# KiCad board DFTBoard.kicad_pcb
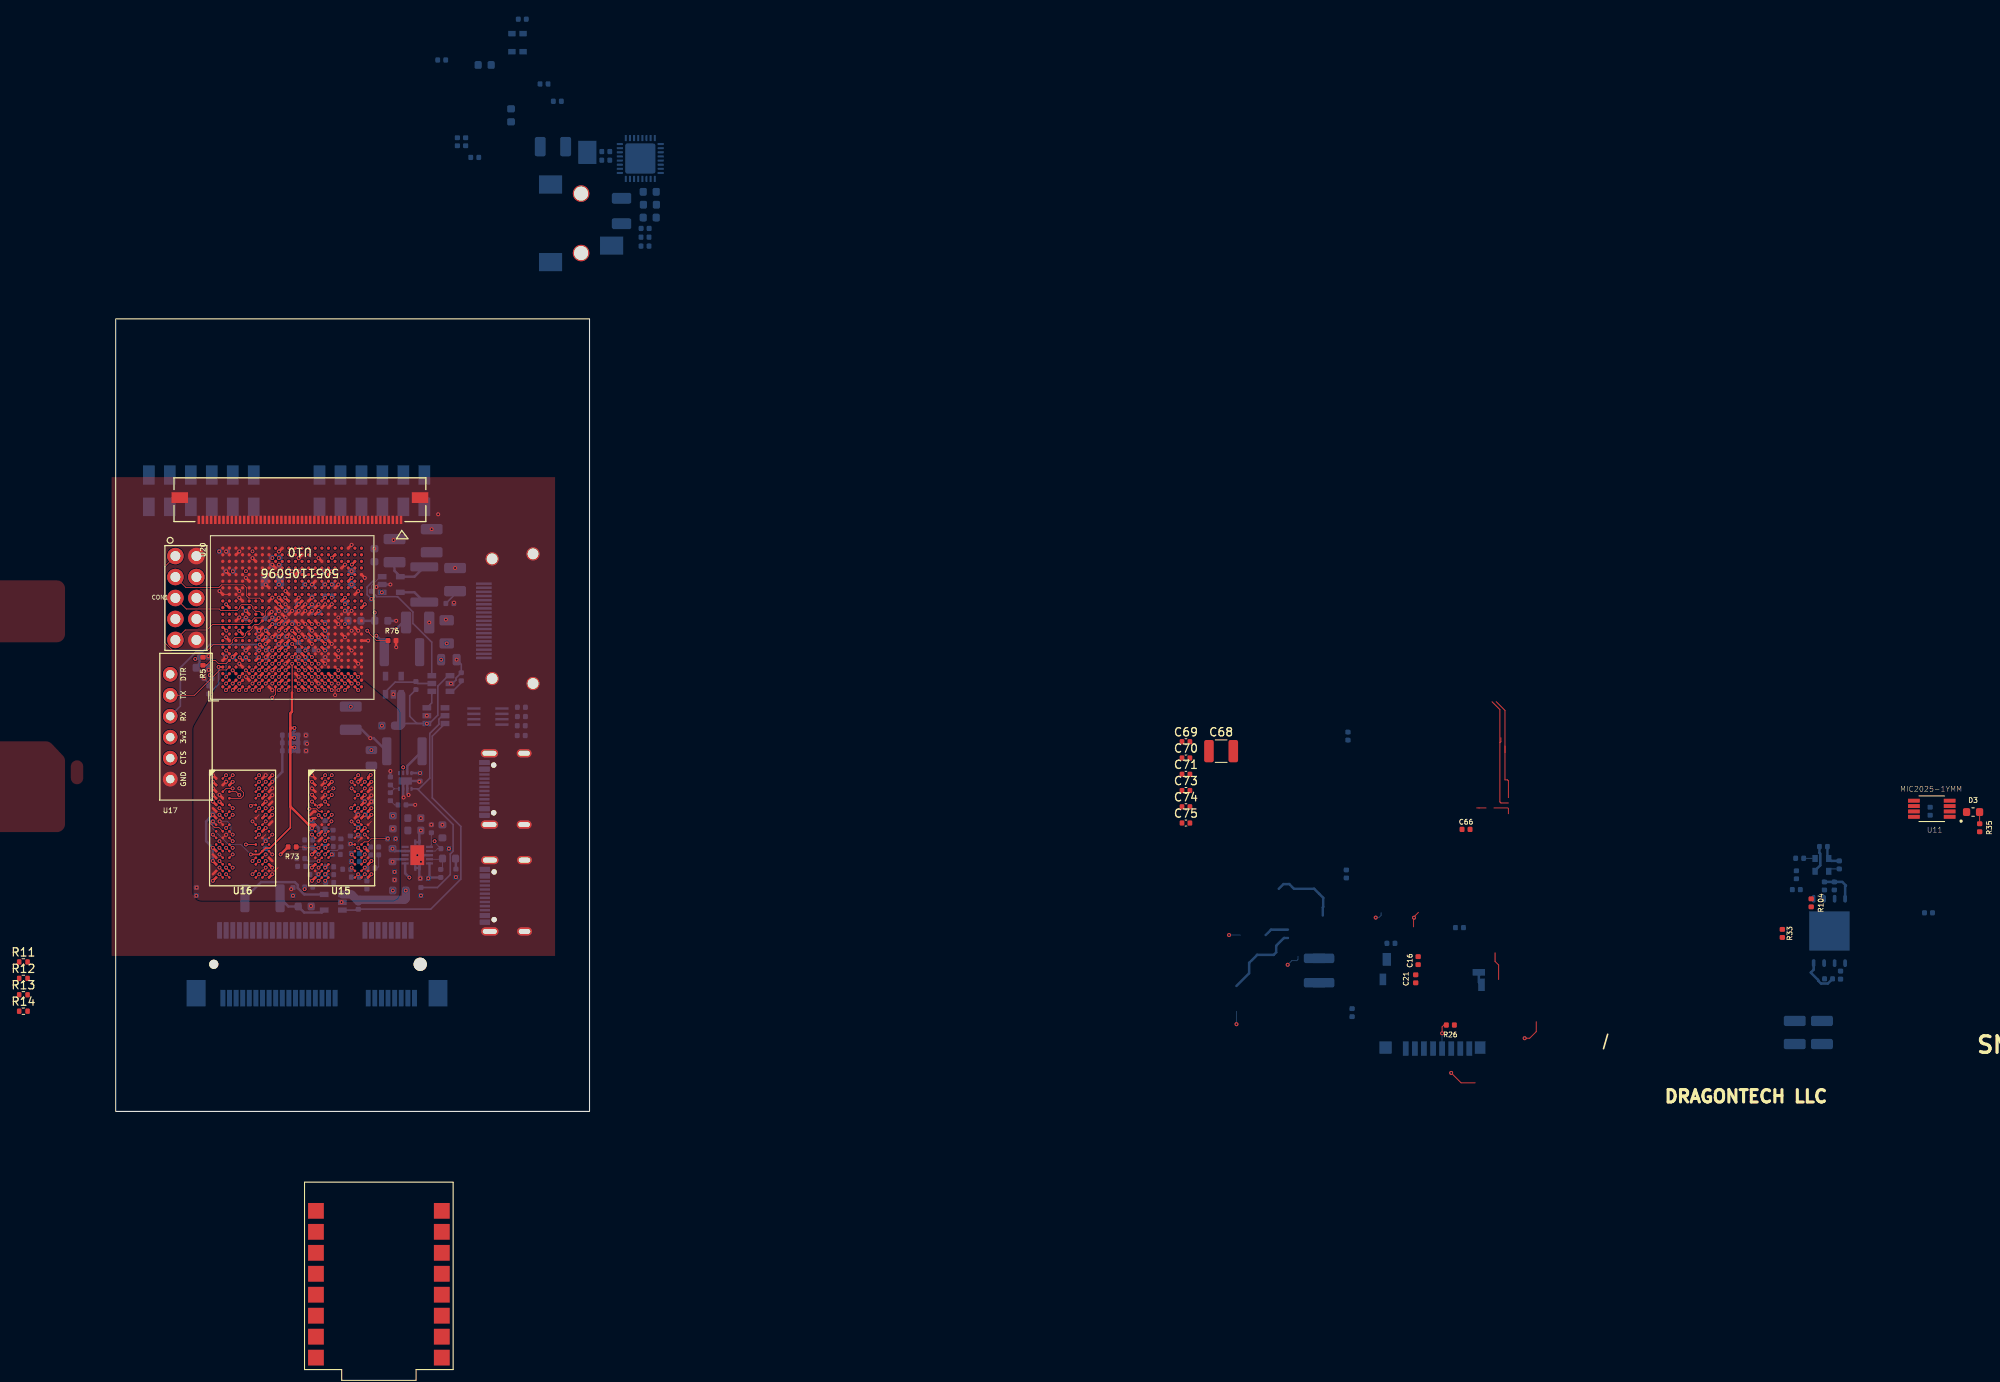
[diagram p0: board, top side]
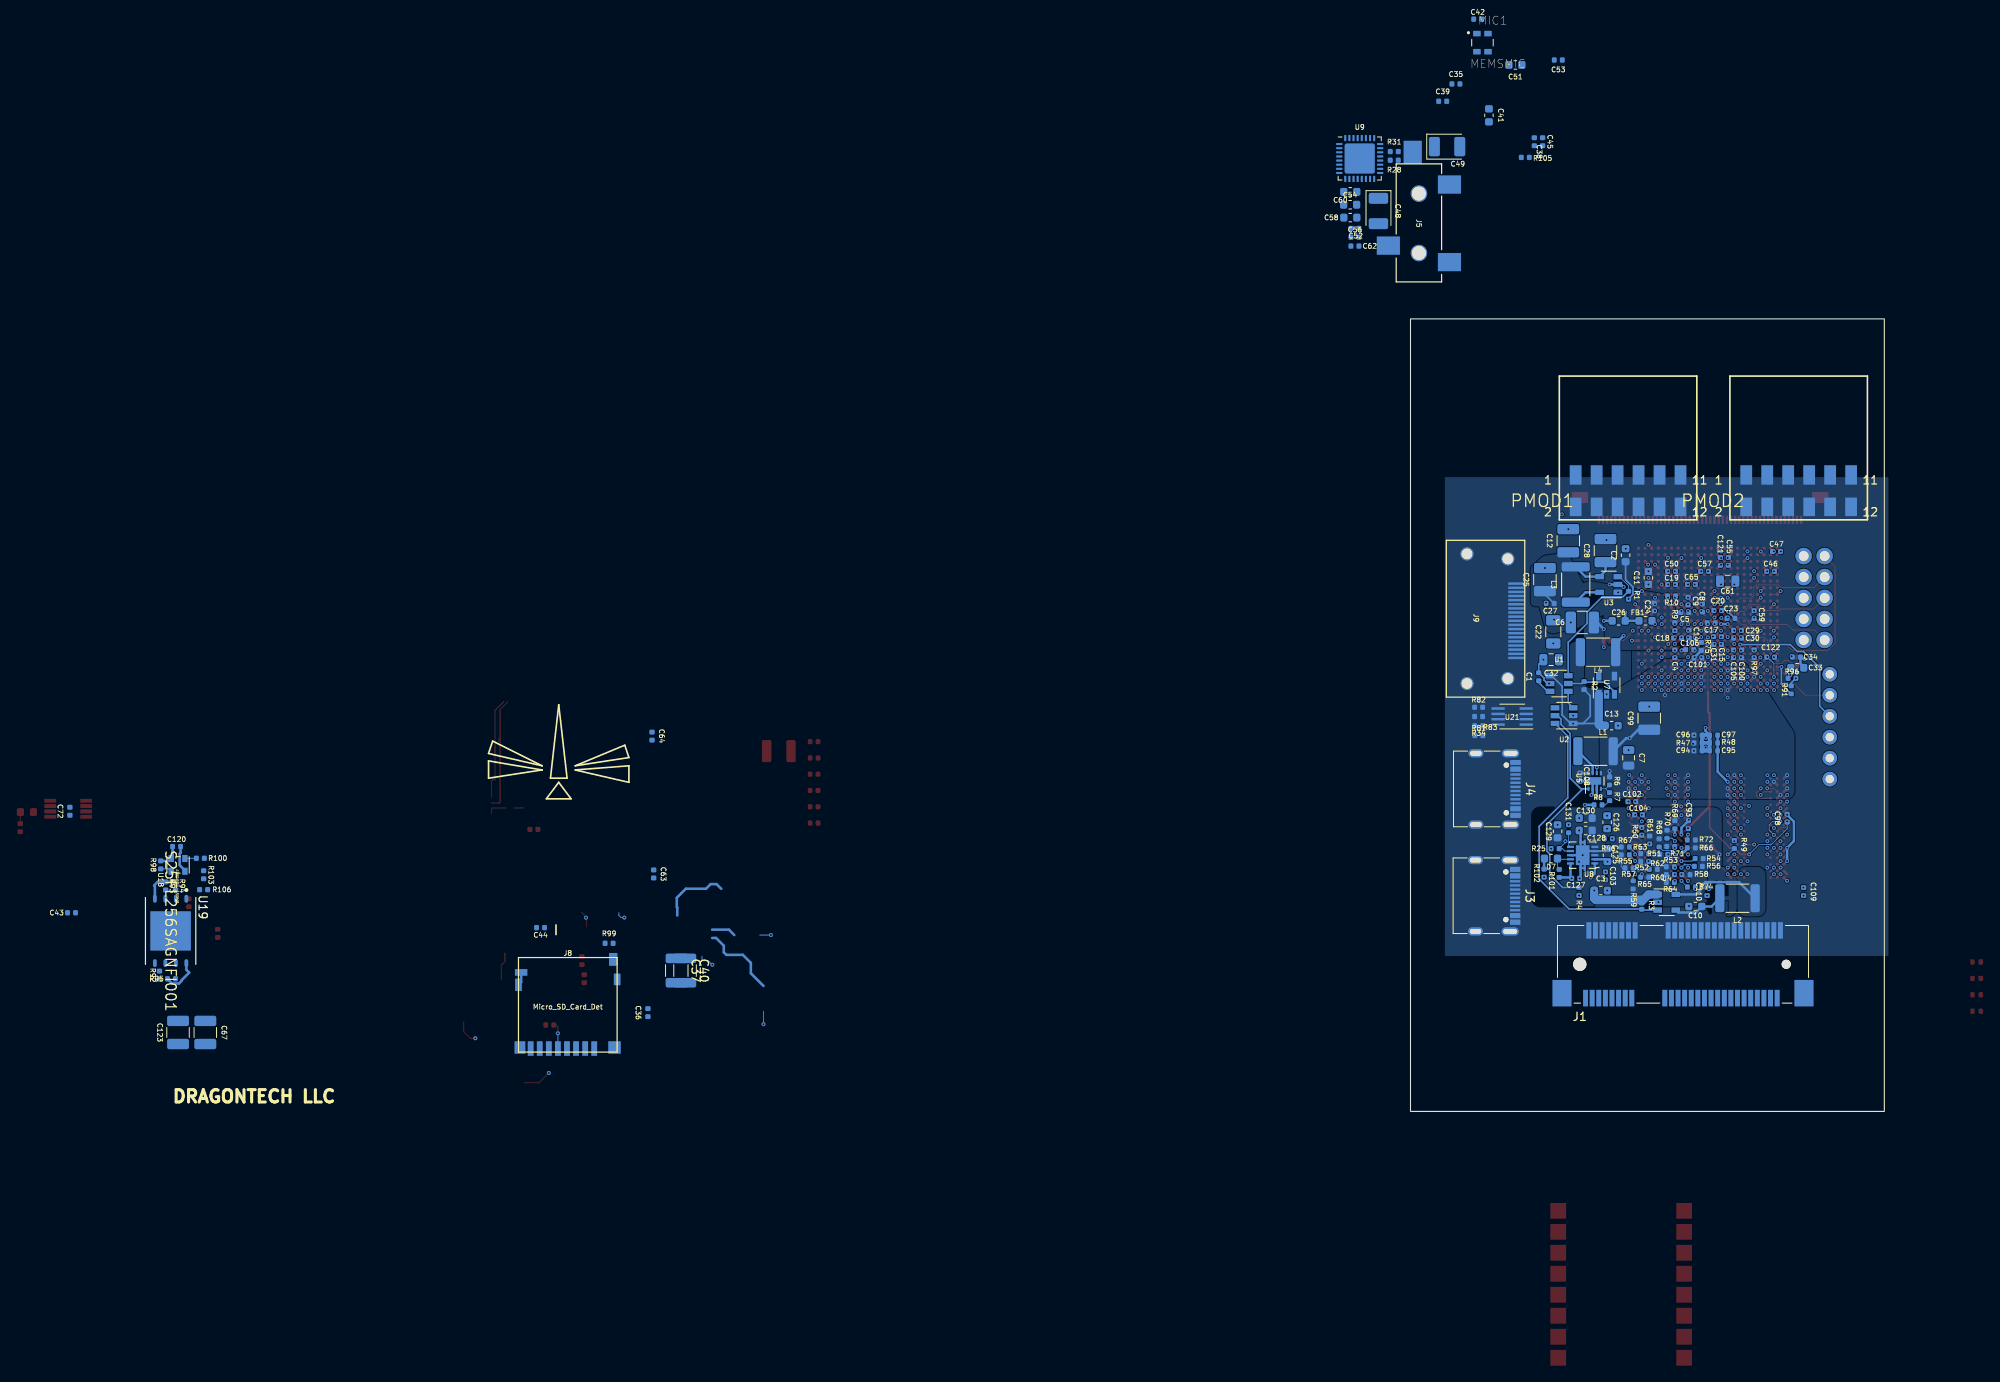
[diagram p1: board, bottom side, seen from below]

Outline 57.38 x 96 mm; copper layers: TOP (plane), Signal1 (plane), Signal2, Signal3 (plane), GND1, BOTTOM (plane). Coordinates in mm from the lower left corner of the outline.
Outline path: rectangle 0,96 57.38,0
Stack: TOP 0.035mm / dielectric 0.1mm FR4 er 4.5 / Signal1 0.035mm / dielectric 0.535mm FR4 er 4.5 / Signal2 0.035mm / dielectric 0.1mm FR4 er 4.5 / Signal3 0.035mm / dielectric 0.535mm FR4 er 4.5 / GND1 0.035mm / dielectric 0.1mm FR4 er 4.5 / BOTTOM 0.035mm

## Placement (name value [footprint] x y rotation side)
C1  .47uF  [C_0402_1005Metric]  41.85 52.65 90 bottom
C2  10uF  [C_0603_1608Metric]  31.33 67.37 90 bottom
C3  10uF  [C_0603_1608Metric]  34.34 26.75 180 bottom
C4  .47uF  [C_0402_1005Metric]  25.37 55.43 270 bottom
C5  4.7uF  [C_0402_1005Metric]  24.17 60.43 180 bottom
C6  100uF  [C_1210_3225Metric#2]  36.57 59.23 0 bottom
C7  47uF  [C_0805_2012Metric]  30.97 42.83 90 bottom
C8  .47uF  [C_0402_1005Metric]  22.02 60.98 270 bottom
C9  4.7uF  [C_0402_1005Metric]  23.77 61.83 90 bottom
C10  10uF  [C_0603_1608Metric]  22.89 24.82 0 bottom
C11  10uF  [C_0603_1608Metric]  28.57 64.63 90 bottom
C12  100uF  [C_1210_3225Metric#2]  38.27 69.13 90 bottom
C13  10uF  [C_0603_1608Metric]  33.03 46.73 180 bottom
C14  .47uF  [C_0402_1005Metric]  23.64 57.83 90 bottom
C15  .47uF  [C_0402_1005Metric]  19.72 57.03 270 bottom
C16  .1uF  [C_0402_1005Metric]  157.73 18.26 270 top
C17  .47uF  [C_0402_1005Metric]  20.97 59.18 180 bottom
C18  .47uF  [C_0402_1005Metric]  25.04 57.33 180 bottom
C19  4.7uF  [C_0402_1005Metric]  25.77 63.83 180 bottom
C20  4.7uF  [C_0402_1005Metric]  20.17 60.68 180 bottom
C21  .1uF  [C_0402_1005Metric]  157.43 16.06 90 top
C22  330uF  [C_1206_3216Metric]  40.09 58.09 90 bottom
C23  .47uF  [C_0402_1005Metric]  18.57 59.73 180 bottom
C24  4.7uF  [C_0402_1005Metric]  27.87 61.1 270 bottom
C25  100uF  [C_1210_3225Metric#2]  41.1 64.42 90 bottom
C26  10uF  [C_0603_1608Metric]  32.17 59.43 0 bottom
C27  4.7uF  [C_0402_1005Metric]  40.47 61.53 0 bottom
C28  100uF  [C_1210_3225Metric#2]  33.77 67.93 90 bottom
C29  .47uF  [C_0402_1005Metric]  17.77 58.28 180 bottom
C30  .47uF  [C_0402_1005Metric]  17.77 57.33 180 bottom
C31  .47uF  [C_0402_1005Metric]  20.67 57.03 90 bottom
C32  47uF  [C_0805_2012Metric]  40.35 54.72 0 bottom
C33  10uF  [C_0603_1608Metric]  10.54 53.74 0 bottom
C34  .47uF  [C_0402_1005Metric]  10.64 55.04 0 bottom
C35  2.2uF  [C_0402_1005Metric]  51.88 124.46 180 bottom
C36  .1uF  [C_0402_1005Metric]  149.73 11.96 90 bottom
C37  100uF  [C_1210_3225Metric]  146.23 17.06 270 bottom
C38  1uF  [C_0402_1005Metric]  42.38 117.46 270 bottom
C39  .1uF  [C_0402_1005Metric]  53.48 122.36 180 bottom
C40  100uF  [C_1210_3225Metric]  145.23 17.06 270 bottom
C41  10uF  [C_0603_1608Metric]  47.88 120.66 270 bottom
C42  4.7uF  [C_0402_1005Metric]  49.24 132.31 0 bottom
C43  .1uF  [C_0402_1005Metric]  219.53 24.06 0 bottom
C44  .1uF  [C_0402_1005Metric]  162.73 22.26 180 bottom
C45  1uF  [C_0402_1005Metric]  41.38 117.46 90 bottom
C46  .47uF  [C_0402_1005Metric]  13.77 65.43 180 bottom
C47  .47uF  [C_0402_1005Metric]  13.07 67.83 0 bottom
C48  220uF Tant.  [CP_EIA-3528-12_Kemet-T]  61.26 109.07 270 bottom
C49  220uF Tant.  [CP_EIA-3528-12_Kemet-T]  52.95 116.87 180 bottom
C50  .47uF  [C_0402_1005Metric]  25.77 65.43 180 bottom
C51  10uF  [C_0603_1608Metric]  44.68 126.76 0 bottom
C52  .1uF  [C_0402_1005Metric]  64.12 106.96 180 bottom
C53  .1uF  [C_0402_1005Metric]  39.48 127.36 0 bottom
C54  10uF  [C_0603_1608Metric]  64.69 109.83 180 bottom
C55  .47uF  [C_0402_1005Metric]  18.87 66.63 270 bottom
C56  .1uF  [C_0402_1005Metric]  64.1 105.9 180 bottom
C57  4.7uF  [C_0402_1005Metric]  21.77 65.43 0 bottom
C58  10uF  [C_0603_1608Metric]  64.67 108.27 180 bottom
C59  4.7uF  [C_0402_1005Metric]  15.77 60.18 270 bottom
C60  10uF  [C_0603_1608Metric]  64.67 111.39 0 bottom
C61  47uF  [C_0805_2012Metric]  18.97 64.23 180 bottom
C62  .1uF  [C_0402_1005Metric]  64.11 104.82 0 bottom
C63  .1uF  [C_0402_1005Metric]  149.03 28.76 270 bottom
C64  4.7uF  [C_0402_1005Metric]  149.23 45.46 270 bottom
C65  .47uF  [C_0402_1005Metric]  23.37 63.83 0 bottom
C66  4.7uF  [C_0402_1005Metric]  163.53 34.16 0 top
C67  100uF  [C_1210_3225Metric#2]  203.33 9.56 270 bottom
C68  47uF  [C_1210_3225Metric]  133.87 43.64 0 top
C69  4.7uF  [C_0402_1005Metric]  129.61 44.78 0 top
C70  4.7uF  [C_0402_1005Metric]  129.61 42.81 0 top
C71  .47uF  [C_0402_1005Metric]  129.61 40.84 0 top
C72  .1uF  [C_0402_1005Metric]  219.73 36.36 90 bottom
C73  .47uF  [C_0402_1005Metric]  129.61 38.87 0 top
C74  .47uF  [C_0402_1005Metric]  129.61 36.9 0 top
C75  .47uF  [C_0402_1005Metric]  129.61 34.93 0 top
C93  .01uF  [C_0402_1005Metric]  23.72 34.73 90 bottom
C94  .1uF  [C_0402_1005Metric]  22.57 43.68 180 bottom
C95  .1uF  [C_0402_1005Metric]  20.67 43.68 180 bottom
C96  .1uF  [C_0402_1005Metric]  22.57 45.58 180 bottom
C97  .1uF  [C_0402_1005Metric]  20.67 45.58 180 bottom
C98  .01uF  [C_0402_1005Metric]  11.77 35.53 90 bottom
C99  100uF  [C_1210_3225Metric#2]  28.47 47.63 90 bottom
C100  4.7uF  [C_0402_1005Metric]  17.27 55.43 90 bottom
C101  .47uF  [C_0402_1005Metric]  22.57 54.93 180 bottom
C102  .47uF  [C_0402_1005Metric]  30.57 37.53 180 bottom
C103  .47uF  [C_0402_1005Metric]  33.77 28.53 90 bottom
C104  .47uF  [C_0402_1005Metric]  29.77 35.93 0 bottom
C105  .01uF  [C_0402_1005Metric]  18.27 55.43 270 bottom
C106  .01uF  [C_0402_1005Metric]  23.57 55.93 0 bottom
C108  .47uF  [C_0402_1005Metric]  36.86 40.5 270 bottom
C109  .01uF  [C_0402_1005Metric]  9.77 26.63 270 bottom
C110  .01uF  [C_0402_1005Metric]  21.47 26.63 270 bottom
C120  .01uF  [C_0402_1005Metric]  206.81 32.08 180 bottom
C121  .47uF  [C_0402_1005Metric]  19.87 66.63 270 bottom
C122  4.7uF  [C_0402_1005Metric]  13.77 55.03 180 bottom
C123  100uF  [C_1210_3225Metric#2]  206.63 9.56 270 bottom
C125  10uF  [C_0603_1608Metric]  33.53 31.04 90 bottom
C126  10uF  [C_0603_1608Metric]  33.57 35.03 90 bottom
C127  4.7uF  [C_0402_1005Metric]  37.37 28.23 0 bottom
C128  10uF  [C_0603_1608Metric]  36.17 34.03 0 bottom
C129  10uF  [C_0603_1608Metric]  39.57 33.93 90 bottom
C130  10uF  [C_0603_1608Metric]  36.17 35.53 0 bottom
C131  .1uF  [C_0402_1005Metric]  38.23 34.24 90 bottom
CON1  AVR-JTAG-10  [XilinxJTAG]  8.5 62.19 180 top
D3  BLUE LED  [C_0603_1608Metric]  224.93 36.26 0 top
D7  BLUE LED  [C_0603_1608Metric]  40.37 30.63 0 bottom
FB1  120R, 100 MHz, size 0603  [C_0603_1608Metric]  28.92 59.43 0 bottom
J1  Bus_PCI_Express_Mini  [BUS_PCI_Express_Mini_Full]  24.38 17.82 180 bottom
J3  USB_C_Receptacle_USB2.0  [USB_C_Receptacle_G-Switch_GT-USB-7010ASV]  48.44 26.12 270 bottom
J4  USB_C_Receptacle_USB2.0  [USB_C_Receptacle_G-Switch_GT-USB-7010ASV]  48.38 39.06 270 bottom
J5  JACK_TRS_4PINS  [SJ-352X-SMT]  56.36 102.88 90 bottom
J8  Micro_SD_Card_Det  [AMPHENOL-114-00841-68]  159.43 12.66 180 bottom
J9  HDMI_A  [10029449-111RLF]  50.54 59.68 270 bottom
L1  2.2uH  [C_1812_4532Metric]  34.97 43.63 180 bottom
L2  2.2uH  [C_1812_4532Metric]  17.78 25.82 0 bottom
L3  2.2uH  [C_1812_4532Metric]  37.37 63.83 90 bottom
L4  2.2uH  [C_1812_4532Metric]  34.67 55.63 180 bottom
MIC1  MEMSMIC  [MIC_SPW2430HR5H-B]  48.66 129.47 180 bottom
PMOD1  PMOD-Host-x2-GPIO  [SAMTEC-SMH-106-02-X-D]  31.03 84.37 180 bottom
PMOD2  PMOD-Host-x2-GPIO  [SAMTEC-SMH-106-02-X-D]  10.37 84.37 180 bottom
R1  100k  [R_0402_1005Metric]  30.97 62.53 90 bottom
R2  100k  [R_0402_1005Metric]  36.36 51.58 90 bottom
R3  100k  [R_0402_1005Metric]  29.38 24.97 270 bottom
R4  100k  [R_0402_1005Metric]  36.97 26.63 90 bottom
R5  100k  [R_0402_1005Metric]  10.57 54.53 270 top
R6  10k  [R_0402_1005Metric]  33.27 40.03 90 bottom
R7  240 1%  [R_0402_1005Metric]  33.27 38.13 270 bottom
R8  4.7k  [R_0402_1005Metric]  34.67 37.13 0 bottom
R9  4.7k  [R_0402_1005Metric]  25.37 58.73 270 bottom
R10  4.7k  [R_0402_1005Metric]  25.77 62.43 0 bottom
R11  4.7k  [R_0402_1005Metric#2]  -11.18 18.1 0 top
R12  4.7k  [R_0402_1005Metric#2]  -11.18 16.12 0 top
R13  4.7k  [R_0402_1005Metric#2]  -11.18 14.12 0 top
R14  4.7k  [R_0402_1005Metric#2]  -11.18 12.13 0 top
R25  20k  [R_0402_1005Metric]  39.87 31.83 180 bottom
R26  47  [R_0402_1005Metric]  161.63 10.46 180 top
R28  100k  [R_0402_1005Metric]  59.35 115.22 0 bottom
R31  49.9k  [R_0402_1005Metric]  59.35 116.27 180 bottom
R33  10k  [R_0402_1005Metric]  201.83 21.56 90 top
R34  100k  [R_0402_1005Metric]  49.11 46.72 0 bottom
R35  150  [R_0402_1005Metric]  225.73 34.36 270 top
R46  240 1%  [R_0402_1005Metric]  33.42 33.03 0 bottom
R47  10k 1%  [R_0402_1005Metric]  22.56 44.64 180 bottom
R48  10k 1%  [R_0402_1005Metric]  20.67 44.64 180 bottom
R49  240 1%  [R_0402_1005Metric]  18.17 32.33 270 bottom
R50  80.6 1%  [R_0402_1005Metric]  29.37 33.93 270 bottom
R51  40.2 1%  [R_0402_1005Metric]  26.72 31.13 0 bottom
R52  40.2 1%  [R_0402_1005Metric]  29.02 30.28 0 bottom
R53  40.2 1%  [R_0402_1005Metric]  25.92 29.63 0 bottom
R54  40.2 1%  [R_0402_1005Metric]  22.42 30.63 180 bottom
R55  40.2 1%  [R_0402_1005Metric]  31.37 31.08 0 bottom
R56  40.2 1%  [R_0402_1005Metric]  22.52 29.68 180 bottom
R57  40.2 1%  [R_0402_1005Metric]  30.92 29.48 0 bottom
R58  40.2 1%  [R_0402_1005Metric]  24.02 28.68 180 bottom
R59  40.2 1%  [R_0402_1005Metric]  30.42 27.43 270 bottom
R60  40.2 1%  [R_0402_1005Metric]  25.92 28.68 0 bottom
R61  40.2 1%  [R_0402_1005Metric]  28.42 32.88 90 bottom
R62  40.2 1%  [R_0402_1005Metric]  27.97 29.33 180 bottom
R63  40.2 1%  [R_0402_1005Metric]  29.02 31.23 0 bottom
R64  40.2 1%  [R_0402_1005Metric]  25.92 27.73 0 bottom
R65  40.2 1%  [R_0402_1005Metric]  29.02 28.38 180 bottom
R66  40.2 1%  [R_0402_1005Metric]  23.37 31.93 180 bottom
R67  40.2 1%  [R_0402_1005Metric]  31.37 32.03 0 bottom
R68  40.2 1%  [R_0402_1005Metric]  27.27 32.53 90 bottom
R69  40.2 1%  [R_0402_1005Metric]  25.37 34.73 90 bottom
R70  40.2 1%  [R_0402_1005Metric]  26.32 33.58 90 bottom
R71  40.2 1%  [R_0402_1005Metric]  25.87 32.08 0 bottom
R72  40.2 1%  [R_0402_1005Metric]  23.37 32.88 180 bottom
R73  40.2 1%  [R_0402_1005Metric]  21.37 32.03 180 top
R74  4.7k  [R_0402_1005Metric]  23.37 27.18 180 bottom
R75  80.6 1%  [R_0402_1005Metric]  22.17 56.33 270 bottom
R76  80.6 1%  [R_0402_1005Metric]  33.47 57.03 0 top
R81  100k  [R_0402_1005Metric]  49.11 45.53 180 bottom
R82  4.7k  [R_0402_1005Metric]  49.13 48.95 180 bottom
R83  4.7k  [R_0402_1005Metric]  49.13 47.83 180 bottom
R91  20k  [R_0402_1005Metric]  11.28 51.06 90 bottom
R92  20k  [R_0402_1005Metric]  208.88 16.51 270 bottom
R93  20k  [R_0402_1005Metric]  208.13 27.31 90 bottom
R94  20k  [R_0402_1005Metric]  206.93 27.31 90 bottom
R95  20k  [R_0402_1005Metric]  207.43 16.06 0 bottom
R96  20k  [R_0402_1005Metric]  11.18 52.46 180 bottom
R97  20k  [R_0402_1005Metric]  15.77 55.43 90 bottom
R98  4.7k  [R_0402_1005Metric]  208.73 29.86 90 bottom
R99  47k  [R_0402_1005Metric]  154.43 20.36 180 bottom
R100  24.9 1%  [R_0402_1005Metric]  203.93 30.66 0 bottom
R101  100k  [R_0402_1005Metric]  39.37 28.83 90 bottom
R102  150  [R_0402_1005Metric]  41.2 28.86 270 bottom
R103  4.7k  [R_0402_1005Metric]  203.53 28.66 90 bottom
R104  4.7k  [R_0402_1005Metric]  205.33 25.26 270 top
R105  1k  [R_0402_1005Metric]  43.48 115.56 0 bottom
R106  20k  [R_0402_1005Metric]  203.53 26.86 0 bottom
U1  LM3880  [SOT-23-6]  39.38 51.83 180 bottom
U2  LM3880  [SOT-23-6]  38.78 47.94 0 bottom
U3  SC189 - 1.0V  [SOT-23-5]  33.37 63.83 0 bottom
U4  SC189 - 3.3V  [SOT-23-5]  26.35 25.33 180 bottom
U5  TLV62080DSGx  [WSON-8-1EP_2x2mm_P0.5mm_EP0.9x1.6mm]  35.07 40.03 90 bottom
U6  ESP32-C3_SUPERMINI  [MODULE_ESP32-C3_SUPERMINI]  31.87 -19.93 180 top
U7  SC189 - 1.8V  [SOT-23-5]  33.63 51.63 90 bottom
U8  TPS51200DRCR  [VSON-10-1EP_3x3mm_P0.5mm_EP1.65x2.4mm_ThermalVias]  36.53 31.04 0 bottom
U9  TLV320AIC3104  [QFN-32-1EP_5x5mm_P0.5mm_EP3.65x3.65mm]  63.53 115.43 180 bottom
U10  ~  [CON_5051105096_MOL]  22.31 74.1 180 top
U11  MIC2025-1YMM  [SOP65P490X110-8N]  219.93 36.66 180 top
U15  MT41K256M16HA-125_E  [FBGA-96-DDR3-SDRAM]  27.37 34.33 0 top
U16  MT41K256M16HA-125_E  [FBGA-96-DDR3-SDRAM]  15.37 34.33 0 top
U17  FTDITypeUART  [FTDI_CONN]  6.61 46.6 0 top
U18  ABRACON-ASDMB  [XTAL_ASDMB-24.000MHZ-LC-T]  206.63 29.86 90 bottom
U19  S25FL256SAGNFI001  [Cypress-002-18827-0-0-0]  207.53 21.86 270 bottom
U20  xc7z020clg484  [BGA-484_19.0x19.0mm_Layout22x22_P0.80mm_dia0.40mm]  21.37 59.83 90 top
U21  PCA9306  [SSOP-8_2.95x2.8mm_P0.65mm]  45.07 47.83 0 bottom

## Library data of the parts
C1 C4 C8 C14 C15 C17 C18 C23 C29-C31 C34 C46 C47 C50 C55 C65 C71 C73-C75 C101-C104 C108 C121 = -: Description: Unpolarized capacitor, small symbol; MFR: Yageo; MPN: CC0402KRX5R5BB474; SPN: 311-1684-1-ND; SPR: Digikey
C2 C3 C10 C11 C13 C26 C33 C125 C126 C128-C130 = -: Description: Unpolarized capacitor, small symbol; MFR: Murata; MPN: GRM188R61A106KE69J; SPN: 490-14372-1-ND; SPR: Digikey
C5 C9 C19 C20 C24 C27 C42 C57 C59 C64 C66 C69 C70 C100 C122 C127 = -: Description: Unpolarized capacitor, small symbol; MFR: Murata; MPN: GRM155R60G475ME47D; SPN: 490-11980-1-ND; SPR: Digikey
C6 C12 C25 C28 C37 C40 C67 C99 C123 = -: Description: Unpolarized capacitor, small symbol; MFR: TAIYO YUDEN; MPN: JMK325ABJ107MM-P; SPN: 587-4313-1-ND; SPR: Digikey
C7 = -: Description: Unpolarized capacitor, small symbol; MFR: Murata; MPN: GRM219R60J476ME44D; SPN: 490-13249-1-ND; SPR: Digikey; SPURL: -
C16 C21 C36 C39 C43 C44 C52 C53 C56 C62 C63 C72 = -: Description: Unpolarized capacitor; MFR: Yageo; MPN: CC0402KRX7R6BB104; SPN: 311-1345-1-ND; SPR: Digikey
C22 = -: Description: Unpolarized capacitor, small symbol; MFR: AVX Corporation; MPN: F950G337MAAAQ2; SPN: 478-8378-1-ND; SPR: Digikey; SPURL: -
C32 C61 = -: Description: Unpolarized capacitor, small symbol; MFR: Murata; MPN: GRM219R60J476ME44D; SPN: 490-13249-1-ND; SPR: Digikey
C35 = -: Description: Unpolarized capacitor; MFR: Murata; MPN: GRM155R61A225KE95D; SPN: 490-10451-1-ND; SPR: Digikey
C38 C45 = -: Description: Unpolarized capacitor; MFR: Yageo; MPN: CC0402KRX5R6BB105; SPN: 311-1439-1-ND; SPR: Digikey
C41 C51 C54 C58 C60 = -: Description: Unpolarized capacitor; MFR: Murata; MPN: GRM188R61A106KE69J; SPN: 490-14372-1-ND; SPR: Digikey
C48 C49 = -: MFR: AVX Corporation; MPN: F930G227KBA; SPN: 478-8139-1-ND; SPR: Digikey
C68 = -: Description: Unpolarized capacitor, small symbol; MFR: Murata Manufacturing Co Ltd; MPN: GRM32ER70J476ME20L; SPN: 490-6542-1-ND; SPR: Digikey
C93 C98 C105 C106 C109 C110 C120 = -: Description: Unpolarized capacitor, small symbol; MFR: Murata; MPN: GRM155R71H103KA88J; SPN: 490-6351-1-ND; SPR: Digikey; SPURL: -
C94-C97 C131 = -: Description: Unpolarized capacitor, small symbol; MFR: Yageo; MPN: CC0402KRX7R6BB104; SPN: 311-1345-1-ND; SPR: Digikey
CON1 = -: MFR: DNS
D3 D7 = -: MFR: Vishay Semiconductors; MPN: VLMB1300-GS08; SPN: VLMB1300-GS08CT-ND; SPR: Digikey
FB1 = -: MFR: Murata Electronics; MPN: BLM18AG121SN1D; SPN: 490-1011-1-ND; SPR: Digikey; SPURL: -
J1 = -: Description: Mini-PCI Express bus connector
J3 J4 = -: Description: USB 2.0-only Type-C Receptacle connector
J5 = -: MFR: CUI Inc.; MPN: SJ-3524-SMT-TR; SPN: CP-3524SJCT-ND; SPR: Digikey
J8 = -: MFR: Amphenol ICC; MPN: 114-00841-68; SPN: 114-00841-68-1-ND; SPR: Digikey; SPURL: -
J9 = -: Description: HDMI type A connector; MFR: Amphenol ICC; MPN: 10029449-111RLF; SPN: 609-4614-1-ND; SPR: Digikey; SPURL: -
L1-L4 = -: MFR: Murata; MPN: LQH43PN2R2M26L; SPN: 490-12049-1-ND; SPR: Digikey
MIC1 = -: MFR: Knowles; MPN: SPW2430HR5H-B; SPN: 423-1394-1-ND; SPR: Digikey
R1-R5 R28 R34 R81 R101 = -: Description: Resistor; MFR: Yageo; MPN: RC0402FR-07100KL; SPN: 311-100KLRTR-ND; SPR: Digikey
R6 R33 = -: Description: Resistor; MFR: Yageo; MPN: RC0402FR-0710KL; SPN: 311-10.0KLRTR-ND; SPR: Digikey
R7 R46 R49 = -: Description: Resistor; MFR: Yageo; MPN: RC0402FR-07240RL; SPN: 311-240LRTR-ND; SPR: Digikey; SPURL: -
R8-R10 R74 = -: Description: Resistor, small symbol; MFR: Yageo; MPN: RC0402JR-074K7L; SPN: 311-4.7KJRCT-ND; SPR: Digikey; SPURL: -
R11-R14 R82 R83 R98 R103 R104 = -: Description: Resistor; MFR: Yageo; MPN: RC0402JR-074K7L; SPN: 311-4.7KJRCT-ND; SPR: Digikey
R25 R91-R97 R106 = -: Description: Resistor, small symbol; MFR: Yageo; MPN: RT0402BRD0720KL; SPN: YAG1388CT-ND; SPR: Digikey; SPURL: -
R26 = -: Description: Resistor, small symbol; MFR: Yageo; MPN: RC0402JR-0747RL; SPN: 311-47JRTR-ND; SPR: Digikey; SPURL: -
R31 = -: Description: Resistor; MFR: Yageo; MPN: RC0402FR-0749K9L; SPN: 311-49.9KLRCT-ND; SPR: Digikey
R35 R102 = -: Description: Resistor, small symbol; MFR: Yageo; MPN: RC0402FR-07150RL; SPN: 311-150LRTR-ND; SPR: Digikey
R47 R48 = -: Description: Resistor, small symbol; MFR: Yageo; MPN: RC0402FR-0710KL; SPN: 311-10.0KLRCT-ND; SPR: Digikey; SPURL: -
R50 R75 R76 = -: Description: Resistor; MFR: Yageo; MPN: RC0402FR-0780R6L; SPN: 311-80.6LRTR-ND; SPR: Digikey; SPURL: -
R51-R73 = -: Description: Resistor, small symbol; MFR: Yageo; MPN: RC0402FR-0740R2L; SPN: 311-40.2LRTR-ND; SPR: Digikey; SPURL: -
R99 = -: Description: Resistor, small symbol; MFR: Yageo; MPN: RC0402FR-0747KL; SPN: 311-47.0KLRTR-ND; SPR: Digikey; SPURL: -
R100 = -: Description: Resistor, small symbol; MFR: Yageo; MPN: RC0402FR-0724K9L; SPN: 311-24.9KLRTR-ND; SPR: Digikey; SPURL: -
R105 = -: Description: Resistor, small symbol; MFR: Yageo; MPN: RC0402FR-071KL; SPN: 311-1.00KLRCT-ND; SPR: Digikey
U1 U2 = -: Description: Simple Power Sequencer, SOT-23-6; MFR: Texas Instruments; MPN: LM3880MF-1AE/NOPB; SPN: LM3880MF-1AE/NOPBDKR-ND; SPR: Digikey; SPURL: -
U3 = -: MFR: Semtech Corporation; MPN: SC189ASKTRT; SPN: SC189ASKCT-ND; SPR: Digikey
U4 = -: MFR: Semtech Corporation; MPN: SC189ZSKTRT; SPN: SC189ZSKCT-ND; SPR: Digikey
U5 = -: Description: High-efficiency Step-down Converter; MFR: Texas Instruments; MPN: TLV62080DSGR; SPN: 296-39270-6-ND; SPR: Digikey; SPURL: -
U6 = -: Description: Super tiny ESP32-C3 board; Availability: Not in stock; Check_prices: https://www.snapeda.com/parts/ESP32-C3%20SuperMini/Espressif+Systems/view-part/?ref=eda; MANUFACTURER: Espressif; MAXIMUM_PACKAGE_HEIGHT: 4.2mm; MF: Espressif Systems; MP: ESP32-C3 SuperMini; Package: Package; Price: None; STANDARD: Manufacturer Recommendations; SnapEDA_Link: https://www.snapeda.com/parts/ESP32-C3%20SuperMini/Espressif+Systems/view-part/?ref=snap
U7 = -: MFR: Semtech Corporation; MPN: SC189LSKTRT; SPN: SC189LSKCT-ND; SPR: Digikey
U8 = -: Description: IC CONV DDR DDR2 DDR3 10SON; Category: Integrated Circuits (ICs); DK_Datasheet_Link: http://www.ti.com/lit/ds/symlink/tps51200.pdf; DK_Detail_Page: /product-detail/en/texas-instruments/TPS51200DRCR/296-26978-1-ND/2255274; Digi-Key_PN: 296-26978-1-ND; Family: PMIC - Voltage Regulators - Special Purpose; MFR: Texas Instruments; Manufacturer: Texas Instruments; SPN: 296-26978-1-ND; SPR: Digikey; SPURL: -; Status: Active
U9 = -: MFR: Texas Instruments; MPN: TLV320AIC3104IRHBR; SPN: 296-26818-1-ND; SPR: Digikey
U11 = -: MFR: Microchip; MPN: MIC2025-1YMM-TR; SPN: MIC2025-1YMM-CT-ND; SPR: Digikey; SPURL: -
U15 U16 = -: Field4: V80a .256mx16 Ddr3 Sdram Plastic Commercial Pbf Fbga 1.35v; Field5: Micron Technology; Field6: None; Field7: MT41K256M16HA-125:E; Field8: Unavailable; MFR: Micron; MPN: MT41K256M16TW-107; SPN: 557-2006-6-ND; SPR: Digikey; SPURL: -
U17 = -: MFR: DNS; MPN: -; SPN: -; SPR: -; SPURL: -
U18 = -: MFR: Abracon LLC; MPN: ASDMB-24.000MHZ-LC-T; Manuf: Abracon; SPN: 535-11728-1-ND; SPR: Digikey; SPURL: -
U19 = -: MFR: Cypress; SPN: 1274-1005-ND; SPR: Digikey; SPURL: -
U20 = -: MFR: Xilinx; MPN: XC7Z020-1CLG484C; SPN: 122-1850-ND; SPR: Digikey; SPURL: -
U21 = -: Description: Dual bidirectional I2C Bus and SMBus voltage level translator; MFR: Texas Instruments; MPN: PCA9306DCTR; SPN: 296-18509-2-ND; SPR: Digikey; SPURL: -
